# Altium PCB Battman.PcbDoc (part 5 of 5)
Units mm, origin at the board's own origin, x right, y up, seen from the top; angles counter-clockwise.
Board outline 110 x 68 mm, 6 copper layers (Top Layer, Mid Layer 1, Mid Layer 2, Mid Layer 3, Mid Layer 4, Bottom Layer), stack 1.235 mm thick; 358 components, 241 nets, 1126 pads, 1797 vias.
Unrouted connection lines stored in the file: 2.
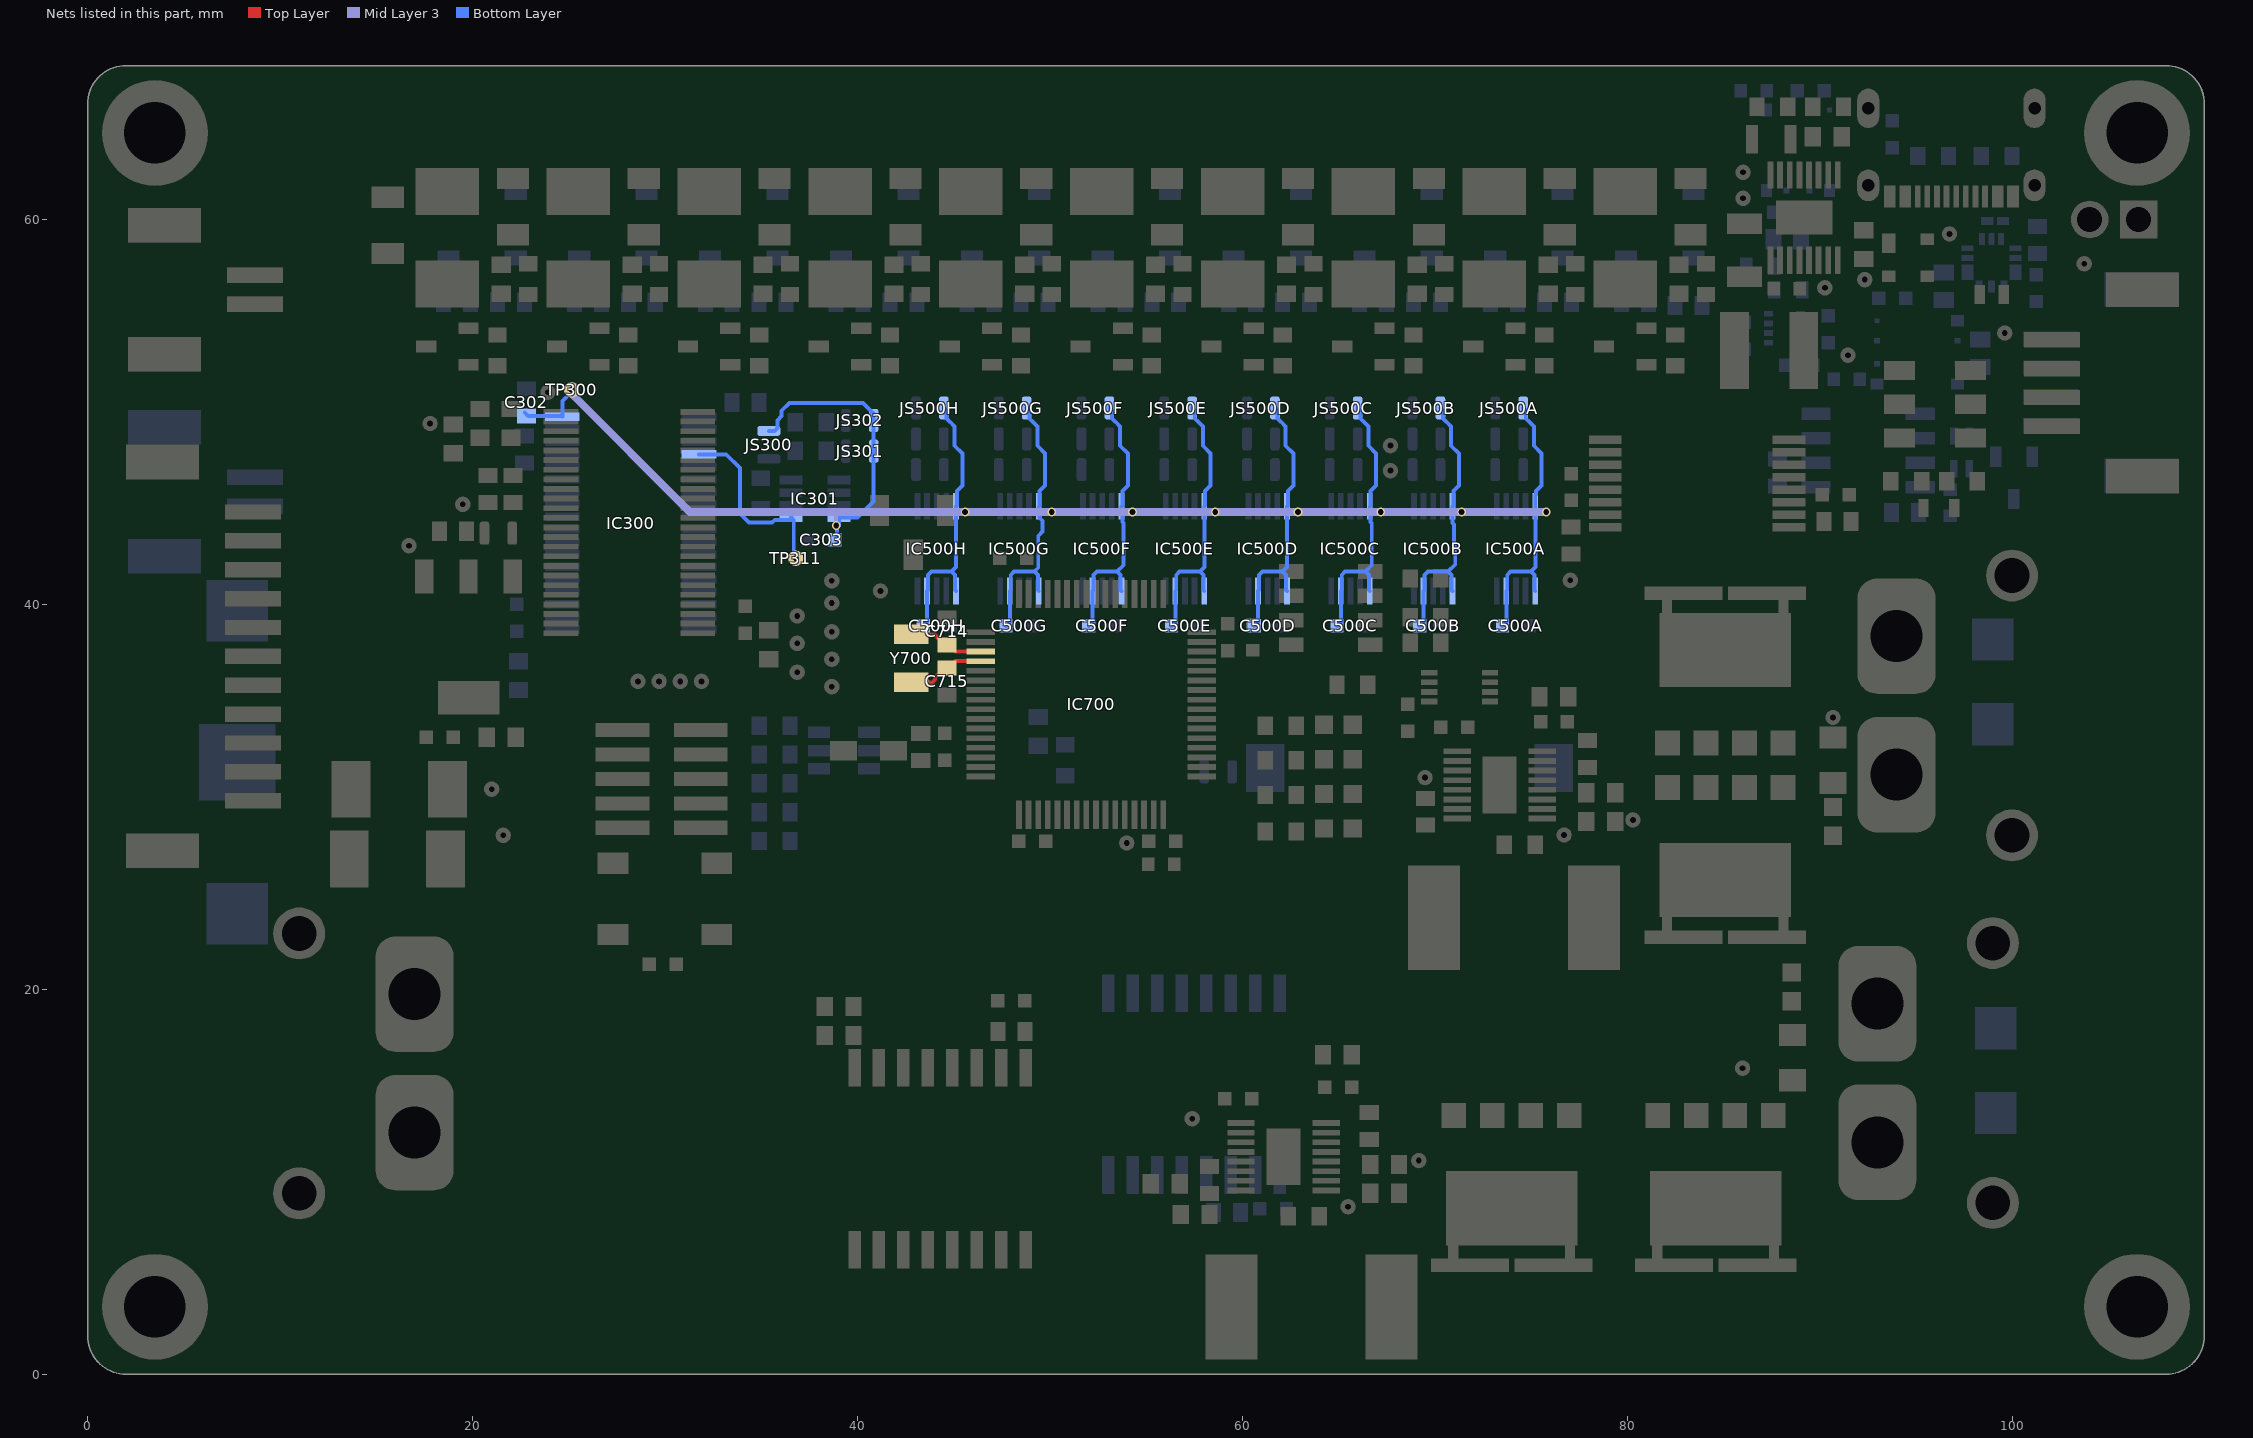
[diagram p9: the nets of this part, all layers, seen from the top]

## Via types
v1: diameter 0.45, hole 0.3, Top Layer to Bottom Layer, tented both sides, 1593 vias
v2: diameter 0.6, hole 0.3, Top Layer to Bottom Layer, tented both sides, 204 vias

## Nets (pads, with @x,y where several pads share a name; then routed paths per layer and width w, separated by ;. In a path a pad name is that pad's centre, name@x,y a point inside that pad or via, vN(x,y) a via of type N, cw(c..) or ccw(c..) an arc to the next point about the centre after c; other vN are vias at no path point) (continued)
VregA: C302.1 C303.2 C500A.2 C500B.2 C500C.2 C500D.2 C500E.2 C500F.2 C500G.2 C500H.2 IC300.18 IC301.8 IC500A.5 IC500A.6 IC500A.9 IC500B.5 IC500B.6 IC500B.9 IC500C.5 IC500C.6 IC500C.9 IC500D.5 IC500D.6 IC500D.9 IC500E.5 IC500E.6 IC500E.9 IC500F.5 IC500F.6 IC500F.9 IC500G.5 IC500G.6 IC500G.9 IC500H.5 IC500H.6 IC500H.9 JS300.2 JS301.2 JS302.2 JS500A.1 JS500B.1 JS500C.1 JS500D.1 JS500E.1 JS500F.1 JS500G.1 JS500H.1 TP300.1 | length 191.3
  Mid Layer 3 w0.203: 38.8,44.8 38.895,44.705 38.895,44.105 v1(38.9,44.1)
  Mid Layer 3 w0.4: TP300.1@25.1,51 31.3,44.8 38.8,44.8 v1(45.6,44.8) v1(50.1,44.8) v1(54.3,44.8) v1(58.6,44.8) v1(62.9,44.8) v1(67.2,44.8) v1(71.4,44.8) v1(75.8,44.8)
  Bottom Layer w0.203: C302.1@22.719,49.981 C302.1@22.9,49.8 ; C302.1@22.841,49.846 22.9,49.788 24.637,49.788 IC300.18@24.675,49.75 24.675,50.575 TP300.1@25.1,51 ; JS300.2@35.4,49.01 35.709,49.01 35.855,49.156 35.855,49.564 36.07,49.779 36.07,50.061 36.474,50.464 40.295,50.464 40.85,49.91 JS302.2@40.85,49.56 JS301.2@40.85,47.96 40.85,45.35 40.01,44.51 IC301.8@39.05,44.51 v1@39.05,44.1 ; v1(38.9,44.1) 38.94,44.06 38.94,43.235 C303.2@38.975,43.2 ; C500H.2@43.425,38.884 43.625,39.084 IC500H.9@43.625,40.7 43.67,40.745 43.67,41.526 43.849,41.705 44.901,41.705 ; JS500H.1@44.5,50.2 44.634,50.066 44.634,49.668 44.797,49.505 44.803,49.505 45.055,49.253 45.055,48.245 45.461,47.839 45.461,46.179 45.173,45.891 45.173,45.148 IC500H.5@45.125,45.1 45.125,44.848 IC500H.5@45.13,44.844 ; IC500H.6@45.125,40.7 45.08,40.745 45.08,41.526 44.901,41.705 ; IC500H.5@45.13,44.848 IC500H.5@45.13,44.844 ; v1(45.6,44.8) 45.173,44.8 IC500H.5@45.13,44.844 ; C500G.2@47.725,38.884 47.925,39.084 IC500G.9@47.925,40.7 47.97,40.745 47.97,41.526 48.149,41.705 49.201,41.705 ; JS500G.1@48.8,50.2 48.934,50.066 48.934,49.668 49.097,49.505 49.103,49.505 49.355,49.253 49.355,48.245 49.761,47.839 49.761,46.179 49.473,45.891 49.473,45.148 IC500G.5@49.425,45.1 49.425,44.848 49.43,44.844 IC500G.5@49.473,44.8 ; IC500G.6@49.425,40.7 49.38,40.745 49.38,41.526 49.201,41.705 ; v1(50.1,44.8) IC500G.5@49.473,44.8 ; C500F.2@52.025,38.884 52.225,39.084 IC500F.9@52.225,40.7 52.273,40.748 52.273,41.524 52.454,41.705 53.501,41.705 ; JS500F.1@53.1,50.2 53.234,50.066 53.234,49.668 53.397,49.505 53.403,49.505 53.655,49.253 53.655,48.245 54.061,47.839 54.061,46.179 53.773,45.891 53.773,45.148 IC500F.5@53.725,45.1 53.725,44.848 IC500F.5@53.773,44.8 ; IC500F.6@53.725,40.7 53.68,40.745 53.68,41.526 53.501,41.705 ; v1(54.3,44.8) IC500F.5@53.773,44.8 ; C500E.2@56.325,38.884 56.525,39.084 IC500E.9@56.525,40.7 56.57,40.745 56.57,41.526 56.749,41.705 57.801,41.705 ; JS500E.1@57.4,50.2 57.534,50.066 57.534,49.668 57.697,49.505 57.703,49.505 57.955,49.253 57.955,48.245 58.361,47.839 58.361,46.179 58.073,45.891 58.073,45.148 IC500E.5@58.025,45.1 58.025,44.848 IC500E.5@58.03,44.844 ; IC500E.6@58.025,40.7 57.98,40.745 57.98,41.526 57.801,41.705 ; IC500E.5@58.03,44.848 IC500E.5@58.03,44.844 ; v1(58.6,44.8) 58.073,44.8 IC500E.5@58.03,44.844 ; C500D.2@60.625,38.884 60.825,39.084 IC500D.9@60.825,40.7 60.87,40.745 60.87,41.526 61.049,41.705 62.101,41.705 ; JS500D.1@61.7,50.2 61.834,50.066 61.834,49.668 61.997,49.505 62.003,49.505 62.255,49.253 62.255,48.245 62.661,47.839 62.661,46.179 62.373,45.891 IC500D.5@62.373,45.148 ; IC500D.6@62.325,40.7 62.28,40.745 62.28,41.526 62.101,41.705 ; IC500D.5@62.325,45.1 62.325,44.848 62.373,44.8 v1(62.9,44.8) ; IC500D.5@62.33,44.8 62.33,41.933 62.101,41.705 ; C500C.2@64.925,38.884 65.125,39.084 IC500C.9@65.125,40.7 65.17,40.745 65.17,41.526 65.349,41.705 66.401,41.705 ; JS500C.1@66,50.2 66.134,50.066 66.134,49.668 66.297,49.505 66.303,49.505 66.555,49.253 66.555,48.245 66.961,47.839 66.961,46.179 66.673,45.891 66.673,45.148 IC500C.5@66.625,45.1 66.625,44.848 IC500C.5@66.673,44.8 ; IC500C.6@66.625,40.7 66.58,40.745 66.58,41.526 66.401,41.705 ; IC500C.5@66.673,44.848 IC500C.5@66.673,44.8 ; v1(67.2,44.8) IC500C.5@66.673,44.8 ; C500B.2@69.225,38.884 69.425,39.084 IC500B.9@69.425,40.7 69.47,40.745 69.47,41.526 69.649,41.705 70.701,41.705 ; JS500B.1@70.3,50.2 70.434,50.066 70.434,49.668 70.597,49.505 70.603,49.505 70.855,49.253 70.855,48.245 71.261,47.839 71.261,46.179 70.973,45.891 70.973,45.148 IC500B.5@70.925,45.1 70.925,44.224 71.004,44.145 71.004,43.097 71.068,43.033 71.068,42.071 70.701,41.705 ; IC500B.6@70.925,40.7 70.88,40.745 70.88,41.526 70.701,41.705 ; IC500B.5@70.93,44.844 70.973,44.8 v1(71.4,44.8) ; C500A.2@73.525,38.884 73.725,39.084 IC500A.9@73.725,40.7 73.77,40.745 73.77,41.526 73.949,41.705 75.001,41.705 ; JS500A.1@74.6,50.2 74.734,50.066 74.734,49.668 74.897,49.505 74.903,49.505 75.155,49.253 75.155,48.245 75.561,47.839 75.561,46.179 75.273,45.891 75.273,45.698 75.225,45.65 75.225,44.848 IC500A.5@75.23,44.844 ; IC500A.6@75.225,40.7 75.18,40.745 75.18,41.526 75.001,41.705 ; v1(75.8,44.8) 75.273,44.8 IC500A.5@75.23,44.844 ; 44.901,41.705 45.13,41.933 IC500H.5@45.13,44.844 ; 49.201,41.705 49.4,41.904 49.4,43.551 49.63,43.781 49.63,44.345 49.473,44.502 IC500G.5@49.473,44.8 ; 53.501,41.705 53.83,42.033 53.83,44.219 53.773,44.276 IC500F.5@53.773,44.8 ; 57.801,41.705 58.03,41.933 IC500E.5@58.03,44.844 ; 66.401,41.705 66.73,42.033 66.73,44.219 66.673,44.276 IC500C.5@66.673,44.8 ; 75.001,41.705 75.23,41.933 IC500A.5@75.23,44.844
WDI: IC300.22 IC301.1 TP311.1 | length 10
  Bottom Layer w0.203: IC300.22@31.779,47.796 33.188,47.796 33.9,47.084 33.9,44.729 34.374,44.255 35.576,44.255 35.708,44.386 IC301.1@36.601,44.386 ; IC301.1@36.699,44.386 36.699,42.501 TP311.1@36.8,42.4 ; IC301.1@36.55,44.51 36.569,44.51 36.637,44.442 36.562,44.51 IC301.1@36.55,44.51
X1: C714.1 IC700.3 Y700.1 | length 4
  Top Layer w0.203: Y700.1@42.8,38.45 44.005,38.45 44.124,38.331 44.124,38.321 44.545,37.9 C714.1@44.65,37.9 44.755,37.9 45.105,37.55 IC700.3@46.412,37.55
X2: C715.1 IC700.4 Y700.2 | length 4.1
  Top Layer w0.203: Y700.2@42.8,35.95 43.9,35.95 44.044,36.094 44.044,36.199 44.545,36.7 C715.1@44.65,36.7 44.755,36.7 45.105,37.05 IC700.4@46.412,37.05
pads on no net: BT700.2 IC300.21 IC301.3 IC400.2 IC401.3 IC401.5 IC401.7 IC401.10 IC401.12 IC401.15 IC403.4 IC403.5 IC403.12 IC403.13 IC600.3 IC600.5 IC600.32 IC600.33 IC600.39 IC801A.4 IC801B.4 IC900.3 J3.M1 J3.M2 J5.M1 J5.M2 J6.M1 J6.M2 J7.MP1 J7.MP2 J8.MP1 J8.MP2 J9.MP1 J9.MP2 J10.A8 J10.B8 J700.7 J700.9 S703.1 S703.4 X1.1 X3.1
copper on no net:
  other v1: 3.511,62.319 106.511,62.319 2.412,62.616 4.587,62.616 105.412,62.616 107.587,62.616 1.616,63.413 5.384,63.412 104.616,63.413 108.384,63.412 1.336,64.494 104.336,64.494 5.675,64.5 108.675,64.5 1.616,65.588 5.384,65.587 104.616,65.588 108.384,65.587 2.413,66.384 4.588,66.384 105.413,66.384 107.588,66.384 3.5,66.675 106.5,66.675

## Polygon pours and split planes (outlines as drawn)
Bat_GND_Fused on Top Layer "BAT_GND_FUSED_L01_P276" (solid, pour order 276): 23 vertices, not listed, extent 15.2,24.8 109.7,67.6
Bat_GND_Fused on Top Layer "BAT_GND_FUSED_L01_P220" (solid, pour order 220): 59.8,16.1 57.9,14.2 57.9,8.8 59.4,7.3 67,7.3 67.1,7.4 67.1,14 65.2,16.1
USB_GND on Top Layer "USB_GND_L01_P217" (solid, pour order 217): 91.747,67.49 101.885,67.49 102.175,67.2 102.175,60.175 100.8,58.8 92.742,58.8 91.717,59.825
CAN_GND on Top Layer "CAN_GND_L01_P275" (solid, pour order 275): 109.743,56.232 108.3,57.675 102.975,57.675 102.335,57.035 102.335,55.135 101.45,54.25 94.625,54.25 93.175,52.8 93.175,44.845 94.22,43.8 108.4,43.8 109.862,45.262
Bat_GND on Top Layer "BAT_GND_L01_P273" (solid, pour order 273): 23 vertices, not listed, extent 88,0.5 109.8,43.2
shunt+B on Top Layer "SHUNT+B_L01_P223" (solid, pour order 223): 71.5,26.8 71,27.3 59.525,27.3 57.7,25.475 57.7,21.1 63.1,21.1 63.1,18.6 69.1,18.6 71.5,21
V_Bat on Top Layer "V_BAT_L01_P215" (solid, pour order 215): 14.6,23.5 23.9,23.5 38.6,8.021 38.6,5.2 39.1,5.2 39.1,7.6 44.1,7.6 44.1,0.3 27.8,0.3 21,7.1 21,15.3 20.2,16.1 15.2,16.1 14.3,17 14.3,23.2
shunt-B on Top Layer "SHUNT-B_L01_P211" (solid, pour order 211): 76.7,26.7 78,28 89.5,28 90,27.5 90,21.9 89.5,21.4 86.8,21.4 85.7,20.3 77.1,20.3 76.7,20.7
TSB on Top Layer "TSB_L01_P204" (solid, pour order 204): 81.1,31.1 82,32 82.9,32 82.9,34.4 83.3,34.8 88.5,34.8 90.6,32.7 89.3,31.4 88.9,31.4 86.5,29 81.5,29 81.1,29.4
NetC402_2 on Top Layer "NETC402_2_L01_P196" (solid, pour order 196): 87.7,58.6 87.7,57.1 89,55.8 89.831,55.8 90.125,55.506 90.125,51.05 89.875,50.8 87.5,50.8 87.3,51 87.3,58.6
shunt+A on Top Layer "SHUNT+A_L01_P193" (solid, pour order 193): 44.5,7.6 49.5,7.6 49.5,5.1 50.1,5.1 50.1,7.6 59.8,7.6 60.9,6.5 60.9,0.6 60.3,0 44.5,0
shunt-A on Top Layer "SHUNT-A_L01_P189" (solid, pour order 189): 66.3,6.3 69.1,9.1 69.1,10.4 69.6,10.9 78.7,10.9 79.2,10.4 79.2,1.8 78.2,0.8 66.5,0.8 66.3,1
TSA on Top Layer "TSA_L01_P185" (solid, pour order 185): 17 vertices, not listed, extent 66.191,11.4 89.2,19.7
V_BattLDO on Top Layer "V_BATTLDO_L01_P158" (solid, pour order 158): 23 vertices, not listed, extent 16.2,32.3 23.138,42.6
NetQ200J_3 on Top Layer "NETQ200J_3_L01_P179" (solid, pour order 179): 78.3,58 77.8,57.5 77.8,52.1 78.3,51.6 79.4,51.6 79.7,51.9 79.7,54 80.7,55 81.3,55 81.6,55.3 81.6,57.8 81.4,58
NetQ200I_3 on Top Layer "NETQ200I_3_L01_P178" (solid, pour order 178): 71.5,58 71,57.5 71,52.1 71.5,51.6 72.6,51.6 72.9,51.9 72.9,54 73.9,55 74.5,55 74.8,55.3 74.8,57.8 74.6,58
NetQ200H_3 on Top Layer "NETQ200H_3_L01_P177" (solid, pour order 177): 64.7,58 64.2,57.5 64.2,52.1 64.7,51.6 65.8,51.6 66.1,51.9 66.1,54 67.1,55 67.7,55 68,55.3 68,57.8 67.8,58
NetQ200G_3 on Top Layer "NETQ200G_3_L01_P176" (solid, pour order 176): 57.9,58 57.4,57.5 57.4,52.1 57.9,51.6 59,51.6 59.3,51.9 59.3,54 60.3,55 60.9,55 61.2,55.3 61.2,57.8 61,58
NetQ200E_3 on Top Layer "NETQ200E_3_L01_P174" (solid, pour order 174): 44.3,58 43.8,57.5 43.8,52.1 44.3,51.6 45.4,51.6 45.7,51.9 45.7,54 46.7,55 47.3,55 47.6,55.3 47.6,57.8 47.4,58
NetQ200D_3 on Top Layer "NETQ200D_3_L01_P173" (solid, pour order 173): 37.5,58 37,57.5 37,52.1 37.5,51.6 38.6,51.6 38.9,51.9 38.9,54 39.9,55 40.5,55 40.8,55.3 40.8,57.8 40.6,58
NetQ200C_3 on Top Layer "NETQ200C_3_L01_P172" (solid, pour order 172): 30.7,58 30.2,57.5 30.2,52.1 30.7,51.6 31.8,51.6 32.1,51.9 32.1,54 33.1,55 33.7,55 34,55.3 34,57.8 33.8,58
NetQ200B_3 on Top Layer "NETQ200B_3_L01_P171" (solid, pour order 171): 23.9,58 23.4,57.5 23.4,52.1 23.9,51.6 25,51.6 25.3,51.9 25.3,54 26.3,55 26.9,55 27.2,55.3 27.2,57.8 27,58
NetQ200A_3 on Top Layer "NETQ200A_3_L01_P162" (solid, pour order 162): 17.1,58 16.6,57.5 16.6,52.1 17.1,51.6 18.2,51.6 18.5,51.9 18.5,54 19.5,55 20.1,55 20.4,55.3 20.4,57.8 20.2,58
V_Bat on Top Layer "V_BAT_L01_P283" (solid, pour order 283): 52.915,23.425 57.176,23.425 57.425,23.176 57.425,21.324 57.176,21.075 52.824,21.075 52.575,21.324 52.575,23.198
Bat_GND on Top Layer "BAT_GND_L01_P271" (solid, pour order 271): 20.1,15.9 20.8,15.2 20.8,6.8 24.7,2.9 24.7,0.5 1.6,0.5 0.5,1.6 0.5,23.4 1.4,24.3 12.65,24.3 12.65,27.1 14.1,27.1 14.1,24.518 14.1,16.9 15.1,15.9
Out1 on Top Layer "OUT1_L01_P182" (solid, pour order 182): 88,10.9 90.6,13.5 90.6,14.5 91.6,15.5 102.1,15.5 103,14.6 103,1.4 102.4,0.8 80.6,0.8 79.6,1.8 79.6,10.4 80.1,10.9
Out2 on Top Layer "OUT2_L01_P200" (solid, pour order 200): 94.55,42.75 96.1,41.2 96.1,35.7 95.4,35 79.975,35 79.275,35.7 79.275,41.625 80.4,42.75
3V3_Reg on Top Layer "3V3_REG_L01_P197" (solid, pour order 197): 85.275,57.758 85.1,57.583 85.1,55.5 84.4,54.8 84.4,51.1 84.7,50.8 86.8,50.8 87.097,51.097 87.097,57.758
NetQ200F_3 on Top Layer "NETQ200F_3_L01_P175" (solid, pour order 175): 51.1,58 50.6,57.5 50.6,52.1 51.1,51.6 52.2,51.6 52.5,51.9 52.5,54 53.5,55 54.1,55 54.4,55.3 54.4,57.8 54.2,58
NetF200I_2 on Top Layer "NETF200I_2_L01_P170" (solid, pour order 170): 80.9,66 82.2,64.7 82.2,59.5 81.607,58.907 78.693,58.907 78.1,59.5 78.1,65.4 78.7,66
NetF200H_2 on Top Layer "NETF200H_2_L01_P169" (solid, pour order 169): 74.2,66 75.4,64.8 75.4,59.5 74.807,58.907 71.893,58.907 71.3,59.5 71.3,65.6 71.7,66
NetF200G_2 on Top Layer "NETF200G_2_L01_P168" (solid, pour order 168): 66.3,65.8 68.6,63.5 68.6,59.5 68.007,58.907 65.093,58.907 64.5,59.5 64.5,65.5 64.8,65.8
NetF200F_2 on Top Layer "NETF200F_2_L01_P167" (solid, pour order 167): 60.1,65.7 61.8,64 61.8,59.5 61.207,58.907 58.293,58.907 57.7,59.5 57.7,65.3 58.1,65.7
NetF200E_2 on Top Layer "NETF200E_2_L01_P166" (solid, pour order 166): 53.3,65.2 55,63.5 55,59.5 54.407,58.907 51.493,58.907 50.9,59.5 50.9,64.9 51.2,65.2
NetF200D_2 on Top Layer "NETF200D_2_L01_P165" (solid, pour order 165): 46.8,64.9 48.2,63.5 48.2,59.5 47.607,58.907 44.693,58.907 44.1,59.5 44.1,64.6 44.4,64.9
NetF200C_2 on Top Layer "NETF200C_2_L01_P164" (solid, pour order 164): 41,64.5 41.4,64.1 41.4,59.5 40.807,58.907 37.893,58.907 37.3,59.5 37.3,64.1 37.7,64.5
NetF200B_2 on Top Layer "NETF200B_2_L01_P163" (solid, pour order 163): 33.9,64.2 34.6,63.5 34.6,59.5 34.007,58.907 31.093,58.907 30.5,59.5 30.5,63.5 31.2,64.2
Cell0 on Top Layer "CELL0_L01_P161" (solid, pour order 161): 20.5,63 21,62.5 21,59.5 20.407,58.907 17.493,58.907 16.9,59.5 16.9,62.5 17.4,63
NetF200I_2 on Top Layer "NETF200I_2_L01_P157" (solid, pour order 157): 81.7,63 82.2,62.5 82.2,59.5 81.607,58.907 78.693,58.907 78.1,59.5 78.1,62.5 78.6,63
NetF200H_2 on Top Layer "NETF200H_2_L01_P156" (solid, pour order 156): 74.9,63 75.4,62.5 75.4,59.5 74.807,58.907 71.893,58.907 71.3,59.5 71.3,62.5 71.8,63
NetF200G_2 on Top Layer "NETF200G_2_L01_P155" (solid, pour order 155): 68.1,63 68.6,62.5 68.6,59.5 68.007,58.907 65.093,58.907 64.5,59.5 64.5,62.5 65,63
NetF200F_2 on Top Layer "NETF200F_2_L01_P154" (solid, pour order 154): 61.3,63 61.8,62.5 61.8,59.5 61.207,58.907 58.293,58.907 57.7,59.5 57.7,62.5 58.2,63
NetF200E_2 on Top Layer "NETF200E_2_L01_P153" (solid, pour order 153): 54.5,63 55,62.5 55,59.5 54.407,58.907 51.493,58.907 50.9,59.5 50.9,62.5 51.4,63
NetF200D_2 on Top Layer "NETF200D_2_L01_P152" (solid, pour order 152): 47.7,63 48.2,62.5 48.2,59.5 47.607,58.907 44.693,58.907 44.1,59.5 44.1,62.5 44.6,63
NetF200C_2 on Top Layer "NETF200C_2_L01_P151" (solid, pour order 151): 40.9,63 41.4,62.5 41.4,59.5 40.807,58.907 37.893,58.907 37.3,59.5 37.3,62.5 37.8,63
NetF200B_2 on Top Layer "NETF200B_2_L01_P150" (solid, pour order 150): 34.1,63 34.6,62.5 34.6,59.5 34.007,58.907 31.093,58.907 30.5,59.5 30.5,62.5 31,63
NetF200A_2 on Top Layer "NETF200A_2_L01_P149" (solid, pour order 149): 27.5,63.8 27.8,63.5 27.8,59.5 27.207,58.907 24.293,58.907 23.7,59.5 23.7,63.5 24,63.8
Bat_GND_Fused on Mid Layer 1 "BAT_GND_FUSED_L02_P207" (solid, pour order 207): 17 vertices, not listed, extent 0.5,24.8 109.6,67.434
Bat_GND on Mid Layer 1 "BAT_GND_L02_P230" (solid, pour order 230): 0,0 109.106,0.306 109.5,0.7 109.5,42.1 108,43.6 70.7,43.6 0,27.5
Cell0 on Mid Layer 1 "CELL0_L02_P160" (solid, pour order 160): 46 vertices, not listed, extent 6.1,28.599 85,67.5
V_BattLDO on Bottom Layer "V_BATTLDO_L06_P280" (solid, pour order 280): 15.324,34.076 15.65,33.75 21.125,33.75 21.65,34.275 21.65,40.05 20.5,41.2 20.5,42.4 20.325,42.575 19.211,42.575 19.046,42.41 19.046,41.271 17.85,40.075 15.725,40.075 15.3,39.65 15.3,38.8
Bat_GND_Fused on Bottom Layer "BAT_GND_FUSED_L06_P284" (solid, pour order 284): 21 vertices, not listed, extent 15.2,25.6 109.6,67.8
Bat_GND on Bottom Layer "BAT_GND_L06_P278" (solid, pour order 278): 20.1,15.9 20.8,15.2 20.8,6.8 24.7,2.9 24.7,0.5 1.6,0.5 0.5,1.6 0.5,23.4 1.4,24.3 12.372,24.3 12.372,27.1 15.538,27.1 14.1,24.518 14.1,16.9 15.1,15.9
V_Bat on Bottom Layer "V_BAT_L06_P214" (solid, pour order 214): 27 vertices, not listed, extent 14.301,0.093 57.4,26.2
Cell0 on Bottom Layer "CELL0_L06_P199" (solid, pour order 199): 41.4,39.4 42.773,37.8 75.5,37.8 76.2,38.5 76.2,49.9 73.5,52.6 65.2,52.6 63.8,51.2 43.3,51.2 41.4,49.3
CAN_GND on Bottom Layer "CAN_GND_L06_P279" (solid, remove dead copper, pour order 279): 109.025,58.2 104.1,58.2 101.878,54.975 97.4,54.975 96.752,54.327 96.752,51.596 96.493,51.313 94.077,51.318 93.8,51.023 93.8,44.22 94.22,43.8 108.4,43.8 109.49,44.89 109.49,57.735
USB_GND on Bottom Layer "mUSB_GND_L06_P278" (solid, pour order 180): 85.578,67.49 101.885,67.49 102.175,67.2 102.175,60.875 101.619,60.319 98.163,60.319 96.937,58.8 92.742,58.8 91.745,59.797 91.745,64.524 91.271,65.095 86.875,65.095 86.834,66.5 85.574,66.5
Bat_GND_Fused on Bottom Layer "BAT_GND_FUSED_L06_P282" (solid, pour order 282): 101.75,56.226 99.674,56.226 99.097,56.803 98.778,56.803 98.25,56.275 95.875,56.275 95.75,56.15 95.75,55.35 96.067,55.033 101.433,55.033 101.75,55.35
Bat_GND_Fused on Bottom Layer "BAT_GND_FUSED_L06_P281" (solid, pour order 281): 99.825,59.04 99.2,59.579 99.2,60.114 101.973,60.114 101.973,59.202 101.975,59.2 100.5,59.2 100.5,58.346 99.825,58.346
Bat_GND on Bottom Layer "BAT_GND_L06_P277" (solid, pour order 277): 103.7,0.6 108.8,0.6 110,1.8 110,42.775 109.55,43.225 90.65,43.225 90.4,42.975 90.4,0.7
TSB on Bottom Layer "TSB_L06_P210" (solid, pour order 210): 80.7,34.5 81,34.8 89.3,34.8 89.6,34.5 89.6,28.9 89.2,28.5 81.1,28.5 80.7,28.9
TSA on Bottom Layer "TSA_L06_P192" (solid, pour order 192): 86.3,11.4 86.8,11.9 86.8,19.2 86.3,19.7 70.8,19.7 69.2,18.1 69.2,11.9 69.7,11.4
Out1 on Bottom Layer "OUT1_L06_P187" (solid, pour order 187): 87.9,10.8 90.6,13.5 90.6,14.5 91.6,15.5 102.1,15.5 103,14.6 103,1.4 102.4,0.8 80.6,0.8 79.6,1.8 79.6,9.8 80.6,10.8
shunt+B on Bottom Layer "SHUNT+B_L06_P225" (solid, pour order 225): 71.5,26.8 71,27.3 59.3,27.3 57.7,25.7 57.7,18.6 62.5,18.6 62.5,21.1 63.1,21.1 63.1,18.6 69.1,18.6 71.5,21
shunt-B on Bottom Layer "SHUNT-B_L06_P213" (solid, pour order 213): 76.7,26.7 78,28 89.5,28 90,27.5 90,21.9 88.4,20.3 85.7,20.3 77.1,20.3 76.7,20.7
Out2 on Bottom Layer "OUT2_L06_P201" (solid, pour order 201): 96.575,42.75 100.075,39.25 100.075,36.7 98.375,35 79.975,35 79.275,35.7 79.275,41.611 80.414,42.75
shunt+A on Bottom Layer "SHUNT+A_L06_P198" (solid, pour order 198): 44.5,5.1 50.1,5.1 50.1,7.6 59.8,7.6 61.3,6.1 61.3,1 60.3,0 44.5,0
shunt-A on Bottom Layer "SHUNT-A_L06_P195" (solid, pour order 195): 66.3,6.3 69.1,9.1 69.1,10.4 69.6,10.9 78.7,10.9 79.2,10.4 79.2,1.8 78.2,0.8 66.5,0.8 66.3,1
Bat_GND_Fused on Mid Layer 4 "BAT_GND_FUSED_L05_P221" (solid, pour order 221): 0.1,67.1 1,68 108.8,68 110,66.8 110,44.1 109.7,43.8 69.4,43.8 50.4,24.8 0.1,24.8
Bat_GND on Mid Layer 4 "BAT_GND_L05_P206" (solid, pour order 206): 0,0 108.905,0.305 109.5,0.9 109.5,42.1 108,43.6 70.7,43.6 0,27.5
Cell0 on Mid Layer 4 "CELL0_L05_P159" (solid, pour order 159): 37 vertices, not listed, extent 16.6,35.206 85,67.5
3.3V on Mid Layer 3 "3.3V_L04_P226" (solid, pour order 226): 19 vertices, not listed, extent 27.6,26.7 105.354,61.377
NetQ200J_3 on Mid Layer 3 "NETQ200J_3_L04_P250" (solid, pour order 250): 77.8,52.5 77.8,59.523 83.3,59.523 83.3,52.55 82.5,51.75 78.55,51.75
NetQ200I_3 on Mid Layer 3 "NETQ200I_3_L04_P248" (solid, pour order 248): 71,52.5 71,59.523 76.5,59.523 76.5,52.55 75.7,51.75 71.75,51.75
NetQ200H_3 on Mid Layer 3 "NETQ200H_3_L04_P244" (solid, pour order 244): 64.2,52.5 64.2,59.523 69.7,59.523 69.7,52.55 68.9,51.75 64.95,51.75
NetQ200G_3 on Mid Layer 3 "NETQ200G_3_L04_P246" (solid, pour order 246): 57.4,52.5 57.4,59.523 62.9,59.523 62.9,52.55 62.1,51.75 58.15,51.75
NetQ200E_3 on Mid Layer 3 "NETQ200E_3_L04_P240" (solid, pour order 240): 43.8,52.5 43.8,59.523 49.3,59.523 49.3,52.55 48.5,51.75 44.55,51.75
NetQ200D_3 on Mid Layer 3 "NETQ200D_3_L04_P238" (solid, pour order 238): 37,52.5 37,59.523 42.5,59.523 42.5,52.55 41.7,51.75 37.75,51.75
NetQ200C_3 on Mid Layer 3 "NETQ200C_3_L04_P236" (solid, pour order 236): 30.2,52.5 30.2,59.523 35.7,59.523 35.7,52.55 34.9,51.75 30.95,51.75
NetQ200B_3 on Mid Layer 3 "NETQ200B_3_L04_P234" (solid, pour order 234): 23.4,52.5 23.4,59.523 28.9,59.523 28.9,52.55 28.1,51.75 24.15,51.75
NetQ200A_3 on Mid Layer 3 "NETQ200A_3_L04_P231" (solid, pour order 231): 16.6,52.5 16.6,59.523 22.1,59.523 22.1,52.55 21.3,51.75 17.35,51.75
TSB on Mid Layer 3 "TSB_L04_P209" (solid, pour order 209): 81.1,31.1 82,32 82.9,32 82.9,34.4 83.3,34.8 88.5,34.8 90.6,32.7 89.3,31.4 88.9,31.4 86.5,29 81.5,29 81.1,29.4
TSA on Mid Layer 3 "TSA_L04_P186" (solid, pour order 186): 86.3,11.4 86.8,11.9 86.8,19.2 86.3,19.7 70.8,19.7 69.2,18.1 69.2,11.9 69.7,11.4
Bat_GND on Mid Layer 3 "BAT_GND_L04_P228" (solid, pour order 228): 19 vertices, not listed, extent 90.8,0.5 109.8,43.2
Bat_GND on Mid Layer 3 "BAT_GND_L04_P229" (solid, pour order 229): 20.1,15.9 20.8,15.2 20.8,6.8 24.7,2.9 24.7,0.5 1.6,0.5 0.5,1.6 0.5,23.4 1.4,24.3 12.372,24.3 14.1,24.3 14.1,16.9 15.1,15.9
Cell0 on Mid Layer 3 "CELL0_L04_P232" (solid, pour order 232): 16.6,66.7 16.6,59.877 22.1,59.877 22.1,66.6 21.2,67.5 17.4,67.5
NetQ200F_3 on Mid Layer 3 "NETQ200F_3_L04_P242" (solid, pour order 242): 50.6,52.5 50.6,59.523 56.1,59.523 56.1,52.55 55.3,51.75 51.35,51.75
NetF200F_2 on Mid Layer 3 "NETF200F_2_L04_P245" (solid, pour order 245): 57.4,66.7 57.4,59.877 62.9,59.877 62.9,66.6 62,67.5 58.2,67.5
NetF200G_2 on Mid Layer 3 "NETF200G_2_L04_P243" (solid, pour order 243): 64.2,66.7 64.2,59.877 69.7,59.877 69.7,66.6 68.8,67.5 65,67.5
NetF200H_2 on Mid Layer 3 "NETF200H_2_L04_P247" (solid, pour order 247): 71,66.7 71,59.877 76.5,59.877 76.5,66.6 75.6,67.5 71.8,67.5
NetF200I_2 on Mid Layer 3 "NETF200I_2_L04_P249" (solid, pour order 249): 77.8,66.7 77.8,59.877 83.3,59.877 83.3,66.6 82.4,67.5 78.6,67.5
NetF200E_2 on Mid Layer 3 "NETF200E_2_L04_P241" (solid, pour order 241): 50.6,66.7 50.6,59.877 56.1,59.877 56.1,66.6 55.2,67.5 51.4,67.5
NetF200D_2 on Mid Layer 3 "NETF200D_2_L04_P239" (solid, pour order 239): 43.8,66.7 43.8,59.877 49.3,59.877 49.3,66.6 48.4,67.5 44.6,67.5
NetF200C_2 on Mid Layer 3 "NETF200C_2_L04_P237" (solid, pour order 237): 37,66.7 37,59.877 42.5,59.877 42.5,66.6 41.6,67.5 37.8,67.5
NetF200B_2 on Mid Layer 3 "NETF200B_2_L04_P235" (solid, pour order 235): 30.2,66.7 30.2,59.877 35.7,59.877 35.7,66.6 34.8,67.5 31,67.5
NetF200A_2 on Mid Layer 3 "NETF200A_2_L04_P233" (solid, pour order 233): 23.4,66.7 23.4,59.877 28.9,59.877 28.9,66.6 28,67.5 24.2,67.5
Out1 on Mid Layer 3 "OUT1_L04_P181" (solid, pour order 181): 87.9,10.8 90.6,13.5 90.6,14.5 91.6,15.5 102.1,15.5 103,14.6 103,1.4 102.4,0.8 80.6,0.8 79.6,1.8 79.6,9.8 80.6,10.8
V_Bat on Mid Layer 3 "V_BAT_L04_P216" (solid, pour order 216): 25 vertices, not listed, extent 14.301,0.093 57.4,26.2
shunt+B on Mid Layer 3 "SHUNT+B_L04_P222" (solid, pour order 222): 71.5,26.8 71,27.3 59.3,27.3 57.7,25.7 57.7,21.1 63.1,21.1 63.1,18.6 69.1,18.6 71.5,21
shunt-B on Mid Layer 3 "SHUNT-B_L04_P212" (solid, pour order 212): 76.7,26.7 78,28 89.5,28 90,27.5 90,21.9 89.5,21.4 86.8,21.4 85.7,20.3 77.1,20.3 76.7,20.7
Out2 on Mid Layer 3 "OUT2_L04_P203" (solid, pour order 203): 94.55,42.75 96.1,41.2 96.1,35.7 95.4,35 79.975,35 79.275,35.7 79.275,41.625 80.4,42.75
shunt+A on Mid Layer 3 "SHUNT+A_L04_P194" (solid, pour order 194): 44.5,5.1 50.1,5.1 50.1,7.6 59.8,7.6 61.3,6.1 61.3,1 60.3,0 44.5,0
shunt-A on Mid Layer 3 "SHUNT-A_L04_P190" (solid, pour order 190): 66.3,6.3 69.1,9.1 69.1,10.4 69.6,10.9 78.7,10.9 79.2,10.4 79.2,1.8 78.2,0.8 66.5,0.8 66.3,1
Bat_GND_Fused on Mid Layer 2 "BAT_GND_FUSED_L03_P227" (solid, pour order 227): 23 vertices, not listed, extent 15.2,24.8 109.7,67.6
NetQ200J_3 on Mid Layer 2 "NETQ200J_3_L03_P270" (solid, pour order 270): 77.8,52.5 77.8,59.523 83.3,59.523 83.3,52.55 82.5,51.75 78.55,51.75
NetQ200I_3 on Mid Layer 2 "NETQ200I_3_L03_P268" (solid, pour order 268): 71,52.5 71,59.523 76.5,59.523 76.5,52.55 75.7,51.75 71.75,51.75
NetQ200H_3 on Mid Layer 2 "NETQ200H_3_L03_P264" (solid, pour order 264): 64.2,52.5 64.2,59.523 69.7,59.523 69.7,52.55 68.9,51.75 64.95,51.75
NetQ200G_3 on Mid Layer 2 "NETQ200G_3_L03_P266" (solid, pour order 266): 57.4,52.5 57.4,59.523 62.9,59.523 62.9,52.55 62.1,51.75 58.15,51.75
NetQ200E_3 on Mid Layer 2 "NETQ200E_3_L03_P260" (solid, pour order 260): 43.8,52.5 43.8,59.523 49.3,59.523 49.3,52.55 48.5,51.75 44.55,51.75
NetQ200D_3 on Mid Layer 2 "NETQ200D_3_L03_P258" (solid, pour order 258): 37,52.5 37,59.523 42.5,59.523 42.5,52.55 41.7,51.75 37.75,51.75
NetQ200C_3 on Mid Layer 2 "NETQ200C_3_L03_P256" (solid, pour order 256): 30.2,52.5 30.2,59.523 35.7,59.523 35.7,52.55 34.9,51.75 30.95,51.75
NetQ200B_3 on Mid Layer 2 "NETQ200B_3_L03_P254" (solid, pour order 254): 23.4,52.5 23.4,59.523 28.9,59.523 28.9,52.55 28.1,51.75 24.15,51.75
NetQ200A_3 on Mid Layer 2 "NETQ200A_3_L03_P252" (solid, pour order 252): 16.6,52.5 16.6,59.523 22.1,59.523 22.1,52.55 21.3,51.75 17.35,51.75
Out2 on Mid Layer 2 "OUT2_L03_P202" (solid, pour order 202): 94.55,42.75 96.1,41.2 96.1,35.7 95.4,35 79.975,35 79.275,35.7 79.275,41.611 80.414,42.75
TSB on Mid Layer 2 "TSB_L03_P208" (solid, pour order 208): 81.1,31.1 82,32 82.9,32 82.9,34.4 83.3,34.8 88.5,34.8 90.6,32.7 89.3,31.4 88.9,31.4 86.5,29 81.5,29 81.1,29.4
TSA on Mid Layer 2 "TSA_L03_P184" (solid, pour order 184): 86.3,11.4 86.8,11.9 86.8,19.2 86.3,19.7 70.8,19.7 69.2,18.1 69.2,11.9 69.7,11.4
Bat_GND on Mid Layer 2 "BAT_GND_L03_P272" (solid, pour order 272): 20.1,15.9 20.8,15.2 20.8,6.8 24.7,2.9 24.7,0.5 1.6,0.5 0.5,1.6 0.5,23.4 1.4,24.3 12.372,24.3 14.1,24.3 14.1,16.9 15.1,15.9
Bat_GND on Mid Layer 2 "BAT_GND_L03_P274" (solid, pour order 274): 19 vertices, not listed, extent 90.8,0.5 109.8,43.2
NetF200I_2 on Mid Layer 2 "NETF200I_2_L03_P269" (solid, pour order 269): 77.8,66.7 77.8,59.877 83.3,59.877 83.3,66.6 82.4,67.5 78.6,67.5
NetF200H_2 on Mid Layer 2 "NETF200H_2_L03_P267" (solid, pour order 267): 71,66.7 71,59.877 76.5,59.877 76.5,66.6 75.6,67.5 71.8,67.5
NetF200F_2 on Mid Layer 2 "NETF200F_2_L03_P265" (solid, pour order 265): 57.4,66.7 57.4,59.877 62.9,59.877 62.9,66.6 62,67.5 58.2,67.5
NetF200G_2 on Mid Layer 2 "NETF200G_2_L03_P263" (solid, pour order 263): 64.2,66.7 64.2,59.877 69.7,59.877 69.7,66.6 68.8,67.5 65,67.5
NetQ200F_3 on Mid Layer 2 "NETQ200F_3_L03_P262" (solid, pour order 262): 50.6,52.5 50.6,59.523 56.1,59.523 56.1,52.55 55.3,51.75 51.35,51.75
NetF200E_2 on Mid Layer 2 "NETF200E_2_L03_P261" (solid, pour order 261): 50.6,66.7 50.6,59.877 56.1,59.877 56.1,66.6 55.2,67.5 51.4,67.5
NetF200D_2 on Mid Layer 2 "NETF200D_2_L03_P259" (solid, pour order 259): 43.8,66.7 43.8,59.877 49.3,59.877 49.3,66.6 48.4,67.5 44.6,67.5
NetF200C_2 on Mid Layer 2 "NETF200C_2_L03_P257" (solid, pour order 257): 37,66.7 37,59.877 42.5,59.877 42.5,66.6 41.6,67.5 37.8,67.5
NetF200B_2 on Mid Layer 2 "NETF200B_2_L03_P255" (solid, pour order 255): 30.2,66.7 30.2,59.877 35.7,59.877 35.7,66.6 34.8,67.5 31,67.5
NetF200A_2 on Mid Layer 2 "NETF200A_2_L03_P253" (solid, pour order 253): 23.4,66.7 23.4,59.877 28.9,59.877 28.9,66.6 28,67.5 24.2,67.5
Cell0 on Mid Layer 2 "CELL0_L03_P251" (solid, pour order 251): 16.6,66.7 16.6,59.877 22.1,59.877 22.1,66.6 21.2,67.5 17.4,67.5
Out1 on Mid Layer 2 "OUT1_L03_P183" (solid, pour order 183): 87.9,10.8 90.6,13.5 90.6,14.5 91.6,15.5 102.1,15.5 103,14.6 103,1.4 102.4,0.8 80.6,0.8 79.6,1.8 79.6,9.8 80.6,10.8
V_Bat on Mid Layer 2 "V_BAT_L03_P218" (solid, pour order 218): 26 vertices, not listed, extent 14.301,0.093 57.4,26.2
shunt+B on Mid Layer 2 "SHUNT+B_L03_P224" (solid, pour order 224): 71.5,26.8 71,27.3 59.3,27.3 57.7,25.7 57.7,21.1 63.1,21.1 63.1,18.6 69.1,18.6 71.5,21
shunt-B on Mid Layer 2 "SHUNT-B_L03_P205" (solid, pour order 205): 76.7,26.7 78,28 89.5,28 90,27.5 90,21.9 89.5,21.4 86.8,21.4 85.7,20.3 77.1,20.3 76.7,20.7
shunt+A on Mid Layer 2 "SHUNT+A_L03_P188" (solid, pour order 188): 44.5,5.1 50.1,5.1 50.1,7.6 59.8,7.6 61.3,6.1 61.3,1 60.3,0 44.5,0
shunt-A on Mid Layer 2 "SHUNT-A_L03_P191" (solid, pour order 191): 66.3,6.3 69.1,9.1 69.1,10.4 69.6,10.9 78.7,10.9 79.2,10.4 79.2,1.8 78.2,0.8 66.5,0.8 66.3,1

## Keep-outs
Keep-Out Layer:
  lines w1: 0,1.8 0,66 cw(c2,66) 2,68 108,68 cw(c108,66) 110,66 110,2 cw(c108,2) 108,0 2,0 cw(c2,2) 0,2

## Silkscreen, mask and mechanical layers (free items; w line width, h text height)
Top Overlay:
  drawing of 4299 lines, arcs and shapes, not listed
  text "3V3_Reg" at 80.65,66.456 h1.5
  text "Cell Voltage Input Filter and Balancing 250mA Fuses" at 40.375,66.281 h1.5
  text "Cell1" at 17.673,64.141 h1.5
  text "Cell2" at 24.473,64.141 h1.5
  text "Cell3" at 31.273,64.141 h1.5
  text "Cell4" at 38.073,64.141 h1.5
  text "Cell5" at 44.873,64.141 h1.5
  text "Cell6" at 51.673,64.141 h1.5
  text "Cell7" at 58.473,64.141 h1.5
  text "Cell8" at 65.273,64.141 h1.5
  text "Cell9" at 72.073,64.141 h1.5
  text "Cell10" at 78.873,64.141 h1.5
  text "+" at 102.5,61.793 h2
  text "-" at 108.625,61.19 h2
  text "3V3_USB" at 85.159,60.4 h1.5 r90
  text "5V_USB" at 97.353,59.445 h1.5
  text "FAN" at 107.4,57.65 h1
  text "CAN GND" at 96.574,57.249 h1.52
  text "USB GND" at 91.866,55.276 h1.5
  text "PG" at 90.45,54.091 h1.5
  text "5V CAN" at 93.759,53.79 h1.5
  text "Temp2" at 11.834,53.7 h1.5 r90
  text "OL" at 98.836,52.279 h1.5
  text "<->" at 100.35,51.95 h1.5 r90
  text "ST" at 90.823,51.244 h1.5
  text "VRefH" at 23.123,50.905 h1 r90
  text "VRegH" at 28.25,50.883 h1
  text "VRef2" at 14.45,50.25 h1
  text "Bootmode" at 39.65,50.05 h1
  text "USB Iso" at 78.75,49.522 h2
  text "Start populating from 0" at 1.5,49 h1.5
  text "1->Flashmode" at 39.55,48.71 h1
  text "RX" at 68.425,47.75 h1
  text "0->Runmode" at 39.357,47.452 h1
  text "CAN" at 64.15,47.25 h1
  text "120Ω" at 98.65,46.716 h1.5
  text "TX" at 68.425,46.2 h1
  text "1<->0" at 40.708,46.058 h1
  text "Discharge Timer Enable" at 13.617,46.05 h1 r90
  text "VRef1" at 15.55,45.95 h1
  text "VRegS" at 12.85,44.083 h1
  text "CANFD" at 103.875,44.016 h1.5
  text "Config" at 62.173,43.727 h2
  text "WDI" at 35.55,43.15 h1
  text "MCU" at 52.795,42.237 h2
  text "VoltageMeasIC" at 34.344,41.251 h1.5 r90
  text "WDT" at 42.558,40.295 h1
  text "1-4" at 61.05,39.434 h1 r90
  text "3V3" at 75.59,39.291 h1
  text "+" at 90.05,37.593 h2
  text "SPI" at 25.175,36.247 h2
  text "TS" at 89.8,35.775 h1
  text "Mult1-8" at 40.58,35.637 h1 r90
  text "Celltaps" at 13.159,34.9 h1.5 r90
  text "VbatF" at 20.1,31.25 h1
  text "Gate" at 80.95,29.55 h1 r90
  text "0  1  2  3  4  5  6  7  8  9 10" at 11.409,29.425 h1.5 r90
  text "JTag" at 35.717,28.95 h1 r90
  text "Fault" at 68.65,28.65 h1 r90
  text "LED 1-4" at 60.35,27.65 h2 r90
  text "Imon" at 77.35,26.75 h1
  text "GNDF" at 20.175,26.175 h1
  text "RTC" at 51.95,25.95 h1
  text "-" at 90.25,24.99 h2
  text "Fuses 500mA" at 4,24.966 h1.5
  text "Discharge" at 91.575,24.566 h2
  text "-" at 89.975,22.29 h2
  text "Reset" at 35.15,22.15 h1 r90
  text "Discharge Switch" at 71.025,19.175 h2
  text "+" at 19.775,18.318 h2
  text "TS" at 85.15,17.051 h1
  text "Charge Switch" at 71.567,14.844 h2
  text "Battman" at 22.9,12.8 h2
  text "-" at 19.975,11.84 h2
  text "OutputEN" at 50.1,11.258 h1
  text "+" at 89.775,11.143 h2
  text "RevA" at 23.85,10.95 h1
  text "April 2025 Otto Riha" at 19.775,8.858 h1
  text "Imon" at 64.75,7.05 h1
  text "Battery" at 7.675,5.516 h2
  text "Charge" at 91.275,5.016 h2
  text "Charge Current Sensor" at 36.3,1.65 h2
Bottom Overlay:
  drawing of 4297 lines, arcs and shapes, not listed
  text "USB PW Iso" at 86.075,64.641 h1.5
  text "All Temperature sensors  / are 10k NTC" at 16.225,61.85 h1.8 r90
  text "CAN Iso" at 95.952,58.815 h1.5
  text "Supply" at 95.216,57.726 h1.5
  text "Temp1" at 11.066,53.7 h1.5 r270
  text "LTC6801 default config" at 68.9,53.539 h1.8
  text "WDT Config" at 40.455,53.281 h1
  text "SET2" at 40.3,51.811 h1
  text "OV1 OV0  UV1  UV0   HYST CC1  CC0  DC" at 74.775,51.494 h1.8
  text "3V3 Mux" at 87.1,51.327 h1.5
  text "SET0" at 35.44,51.156 h1
  text "SET1" at 40.34,50.43 h1
  text "Vreg" at 79.298,49.839 h1.8
  text "Vref" at 79.298,48.019 h1.8
  text "GND" at 79.134,46.407 h1.8
  text "CANFD" at 108.2,44.016 h1.5
  text "Temp3" at 11.066,43.7 h1.5 r270
  text "CANFD Transceiver" at 97.8,42.716 h1.5
  text "WDT" at 36.499,42.701 h1.5
  text "Hardware Voltage protection" at 20.25,30.7 h2 r270
  text "CR1225" at 10.125,20.691 h1.5
  text "3V RTC Battery" at 11.8,18.731 h1.5
  text "Discharge Current Sensor" at 64.575,6.631 h1.5
  text "Electronics work with smoke, as when smoke comes out it stops working" at 99.7,0.7 h1